# KiCad board ILI9341_ESP32_V1.kicad_pcb (continued)
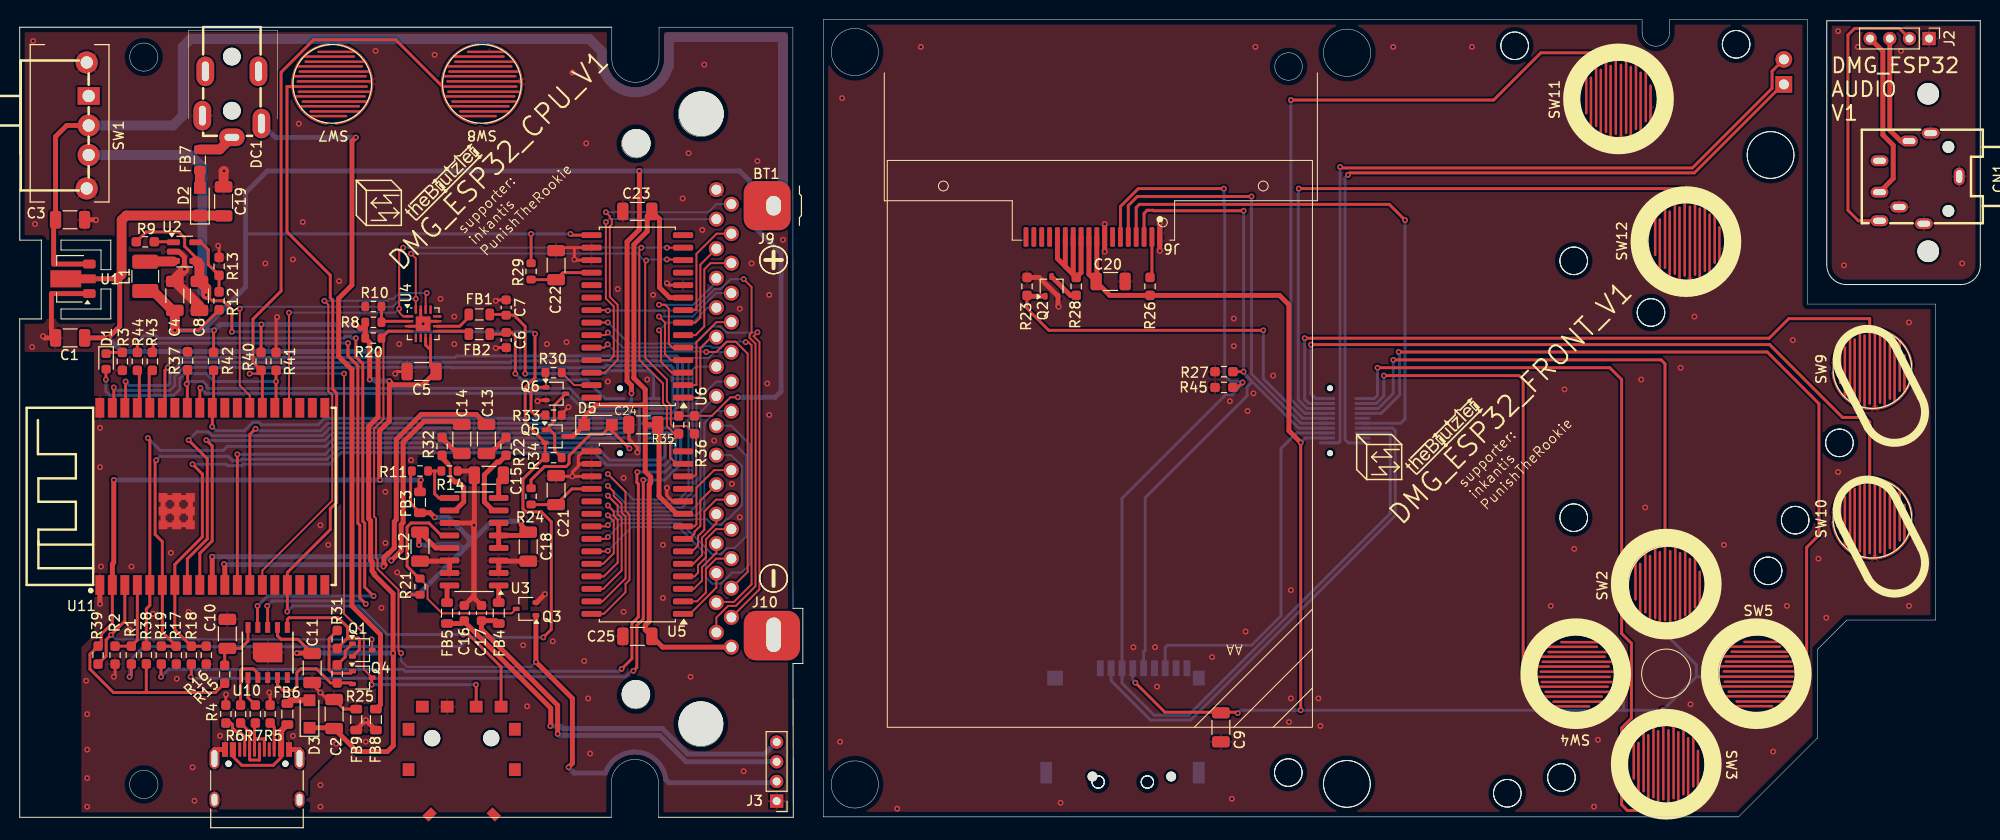
[diagram p0: board, top side]
## Nets (continued)
/MOSI: U8.5 U11.37
/RTS: Q1.2 R31.1 U10.6
/RXD: R43.1 U11.34
/SD_MISO: R37.1 U8.6 U11.31
/SD_~{CS}: U8.7 U11.36
/SOUND_LEFT: C13.1 U11.11
/SOUND_RIGHT: C14.1 U11.10
/SPK+: C6.1 FB2.2 U8.2
/SPK-: C7.2 FB1.2 U8.1
/TXD: R44.1 U11.35
/V_BAT_ADC: R1.2 R2.1 U11.4
/V_BATT: C8.1 Q5.2 R1.1 R9.2 R34.1 SW1.3 U2.4
/VUSB: C1.1 C2.1 C11.1 C19.1 D2.1 D3.1 U1.2 U10.7
Net-(BT1-+): BT1.1 C3.1 J9.1 SW1.2 U1.3
Net-(C13-Pad2): C13.2 R22.1
Net-(C14-Pad2): C14.2 R32.1
Net-(D1-K): D1.1 R3.1
Net-(D2-A): D2.2 FB7.2
Net-(D3-A): D3.2 FB6.2
Net-(DC1-Pad2): DC1.2 FB7.1
Net-(FB6-Pad1): FB6.1 J1.A4 J1.A9 J1.B4 J1.B9
Net-(J1-CC1): J1.A5 R4.2
Net-(J1-CC2): J1.B5 R5.1
Net-(J1-D+-PadA6): J1.A6 J1.B6 R7.1
Net-(J1-D--PadA7): J1.A7 J1.B7 R6.2
Net-(J1-SHIELD): FB8.1 FB9.1 J1.A1 J1.A12 J1.B1 J1.B12 J1.S1
Net-(J2-Pin_1): CN1.1 CN1.5 CN1.8 J2.1
Net-(J2-Pin_2): CN1.6 J2.2
Net-(J2-Pin_3): CN1.3 J2.3
Net-(J2-Pin_4): CN1.2 J2.4
Net-(J6-Pin_2): J6.2 R26.1
Net-(J6-Pin_11): J6.11 J6.12 J6.13 J6.14 R28.2
Net-(Q1-B): Q1.1 R25.2
Net-(Q2-C): Q2.3 R28.1
Net-(Q3-C): Q3.3 R21.2 U3.12
Net-(Q4-B): Q4.1 R31.2
Net-(Q6-B): Q6.1 R30.2 R33.1
Net-(U2-EN): R9.1 U2.1
Net-(U2-FB): R12.2 R13.1 U2.5
Net-(U2-SW): L1.1 U2.3
Net-(U3-+OUT_L): FB4.1 U3.1
Net-(U3-+OUT_R): FB5.1 U3.16
Net-(U3-INL): R22.2 U3.7
Net-(U3-INR): R32.2 U3.10
Net-(U3-MODE): R11.2 R14.1 U3.9
Net-(U3-PVDDL): C12.1 C18.1 FB3.2 R11.1 R21.1 U3.4 U3.5 U3.6 U3.13
Net-(U3-VREF): C15.1 U3.8
Net-(U4-GAIN_SLOT): R8.2 R10.1 U4.2
Net-(U4-OUTN): FB1.1 U4.10
Net-(U4-OUTP): FB2.1 U4.9
Net-(U5-~{RESET}): C21.2 R24.2 U5.18
Net-(U6-GPA6): R30.1 U6.27
Net-(U6-~{RESET}): C22.2 R29.2 U6.18
Net-(U10-RXD): R44.2 U10.9
Net-(U10-TXD): R43.2 U10.8
Net-(U10-V3): C10.1 R15.1 U10.10

Pads without a net: CN1 4; DC1 4 5; J1 A8 B8; J5 1 8 CD; J6 7 15 16 17 18; SW1 1; U4 5 6 12 13; U5 11 14 19 20; U6 11 14 19 20 28; U7 B; U10 5; U11 17 18 19 20 21 22 27 28 32

## Via types
v1: diameter 0.6, hole 0.3, Top to Bottom, 291 vias

## Routing (per net, layer and track width the routed paths; a pad name or vN(x,y) marks a point on that pad's centre or on a via; arc(x,y) is an arc through that point)
+3V3: length 322.1
  Top w0.2: v1(72.96,42.68) 72.22,42.68 70.33,40.79 R36.2 R35.2
  Top w0.3: R12.1 18.17,49.48 v1(15.76,49.48) ; R24.1 51.96,34.28 53.32,35.64 55.52,35.64 55.82,35.94 55.82,36.74 58.01,38.93 59.21,38.93 D5.2 60.16,39.28 v1(61.96,37.48) ; 12.86,12.78 12.97,12.68 19.89,12.68 R15.2 ; 12.86,12.78 R38.2 ; 12.86,12.78 12.76,12.68 9.52,12.68 7.14,15.06 7.14,16.56 R39.2 8.27,17.39 8.29,17.4 8.29,18.6 9.41,19.73 U11.2 ; v1(24.56,50.08) 24.53,50.04 R40.2 ; U4.8 41.75,47.48 ; 41.75,47.48 41.25,47.98 U4.7 ; 41.75,47.48 41.75,45.86 C5.1 42.31,45.13 ; v1(55.96,59.28) 56.09,59.15 U6.15 ; R29.1 v1(51.96,59.28) ; v1(19.76,49.48) 19.7,49.42 R42.2
  Top w0.5: v1(62.16,43.08) 62.16,43.89 61.71,44.34 61.71,58.48 62.96,59.73 v1(62.96,65.68) ; U11.2 9.41,25.73 9.56,25.88 v1(9.56,34.28) ; v1(36.61,34.28) 36.56,34.33 36.56,39.27 37.56,40.27 v1(37.56,44.33) 37.94,43.94 40.96,43.94 C5.1 ; 35.11,49.68 R20.2 35.56,48.24 v1(35.56,44.48) ; 35.11,49.68 34.56,49.68 v1(34.16,50.08) ; 35.11,49.68 R8.1 ; FB3.1 40.67,34.19 v1(40.76,34.28)
  Top w1: L1.2 13.56,53.48 15.54,51.5 C4.1 v1(15.76,49.48)
  Bottom w0.3: v1(62.16,43.08) 62.16,42.28 61.92,42.04 61.85,42.04 ; U8.4 61.85,42.04 ; 61.85,42.04 61.96,41.93 v1(61.96,37.48) ; v1(55.96,59.28) 22.96,59.28
  Bottom w0.5: 18.56,49.48 v1(15.76,49.48) ; 18.56,49.48 v1(19.76,49.48) 20.36,50.08 v1(24.56,50.08) v1(34.16,50.08) ; 18.56,49.48 22.96,53.88 22.96,63.48 25.16,65.68 v1(62.96,65.68) 73.16,65.68 74.16,64.68 74.16,60.48 77.36,57.28 77.36,43.28 76.76,42.68 v1(72.96,42.68) ; v1(37.56,44.33) 36.11,44.33 35.96,44.48 v1(35.56,44.48) ; v1(40.76,34.28) v1(9.56,34.28)
/FRONT_BUTTONS/3V3: length 151.9
  Top w0.3: v1(167.76,18.68) 167.7,18.74 SW2.1 ; v1(123.76,10.58) 123.66,10.68 116.36,10.68 v1(113.36,13.68) ; v1(171.36,14.28) 171.37,14.29 SW5.1 ; SW3.1 166.96,9.38 v1(166.96,10.88) ; v1(162.96,14.88) 162.87,14.79 SW4.1 ; v1(130.16,38.08) v1(130.16,10.88)
  Top w0.5: C20.1 108.64,55.17 J6.10 ; C20.1 109.44,54.51 J6.9 ; C20.1 109.37,54.42 110.76,53.03 R26.2 128.01,53.03 128.96,52.08 128.96,39.28 v1(130.16,38.08)
  Bottom w0.3: v1(162.96,14.88) 162.96,10.88 ; 162.96,10.88 v1(166.96,10.88) 170.36,14.28 ; 162.96,10.88 129.36,10.88 ; J5.4 113.1,13.94 v1(113.36,13.68) ; 129.36,10.88 124.06,10.88 v1(123.76,10.58) ; 129.36,10.88 v1(130.16,10.88) ; v1(171.36,14.28) 170.36,14.28 ; 170.36,14.28 170.36,15.48 167.76,18.08 v1(167.76,18.68) ; U9.18 130.63,38.54 v1(130.16,38.08)
GND: length 132.9
  Top w0.3: R4.1 20.95,12.46 v1(20.96,12.48) ; C7.1 48.45,52.57 v1(48.36,52.48) ; v1(26.16,50.83) 26.05,50.72 R41.2 ; U5.10 66.34,32.1 65.76,32.68 v1(65.76,33.48) ; v1(55.76,41.68) 55.07,40.99 R33.2 ; R2.2 9.69,14.41 v1(9.56,14.28) ; U5.16 56.99,35.91 56.16,35.08 ; v1(65.76,54.28) 65.97,54.07 U6.10 ; U6.16 56.36,57.88 ; 56.36,57.88 v1(56.36,56.68) 56.43,56.61 U6.17 ; 56.36,57.88 54.8,57.88 C22.1 ; U5.15 57.26,37.18 56.76,36.68 56.76,35.68 56.16,35.08 ; U4.15 40.75,50.39 v1(41,50.14) ; 56.16,35.08 v1(56.16,34.64) ; v1(52.61,42.28) 52.72,42.39 Q6.2 ; FB9.2 32.92,10.99 C2.2 31.27,11.97 v1(30.56,12.68) 29.72,13.52 C11.2 ; v1(25.36,12.68) 25.45,12.59 R5.2 ; v1(38.16,45.08) 38.38,45.29 C5.2 ; U4.11 41.25,50.39 v1(41,50.14) ; v1(56.16,34.64) 54.58,34.64 C21.1 ; v1(56.16,34.64) U5.17 ; v1(41,50.14) 40.75,49.89 U4.3 ; C6.2 48.4,47.72 v1(48.36,47.68) ; C24.2 61.88,38.47 62.76,37.6 v1(62.76,37.08) ; v1(20.16,58.08) 20.26,57.98 R13.2
  Top w0.5: v1(53.36,22.68) 52.51,21.83 Q3.2 ; C12.2 43.6,26.02 U3.14 U3.15 ; v1(46.16,29.68) 46.16,22.28 C17.1 ; v1(46.16,29.68) 46.19,29.71 C15.2 45.76,35.19 R14.2 ; v1(46.16,29.68) 45.93,29.9 U3.11 ; v1(46.16,29.68) 46.16,22.51 C16.2 ; U3.2 U3.3 48.74,26.02 C18.2 ; U1.1 3.22,53.21 3.22,49.13 C1.2 2.52,48.71 v1(2.36,48.88) ; U11.39 U11.39 ; U11.1 8.14,21.69 v1(8.16,21.68) ; v1(16.73,55.68) 16.73,56.93 16.19,57.48 U2.2 ; U11.39 15.95,30.28 ; 15.95,30.28 U11.39 ; 15.95,30.28 U11.39 ; C3.2 7.72,60.71 v1(7.76,60.68) ; U11.39 U11.39 U11.39 U11.39 U11.39
  Top w1: v1(16.73,55.68) 15.76,54.7 C4.2 18.26,51.95 C8.2 ; v1(20.76,65.68) 20.72,65.63 C19.2
  Bottom w0.3: U8.11 63,40.04 62.96,40.08 ; 62.96,40.08 62.96,37.28 v1(62.76,37.08) ; 62.96,40.08 62.96,41.85 63.15,42.04 U8.3
  vias: v1(1.26,47.78) v1(1.36,78.88) v1(1.56,60.28) v1(6.76,13.88) v1(6.86,10.48) v1(6.86,6.88) v1(6.86,3.98) v1(6.86,1.08) v1(8.16,39.58) v1(8.16,35.58) v1(8.26,25.48) v1(11.16,19.08) v1(11.36,25.48) v1(13.56,20.68) v1(15.36,26.88) v1(15.96,14.08) v1(17.16,20.88) v1(17.56,5.08) v1(17.76,1.68) v1(24.96,56.28) v1(27.76,56.68) v1(28.36,70.48) v1(28.76,60.48) v1(30.56,29.68) v1(30.56,3.28) v1(30.56,1.08) v1(31.36,27.68) v1(32.46,54.48) v1(35.16,7.68) v1(36.16,77.88) v1(36.76,21.28) v1(37.16,33.08) v1(37.16,27.88) v1(38.36,24.88) v1(38.56,48.08) v1(39.76,36.28) v1(42.16,77.48) v1(42.76,52.68) v1(44.16,50.88) v1(44.16,48.08) v1(51.16,17.48) v1(51.56,11.28) v1(53.56,48.08) v1(54.16,17.88) v1(55.56,48.28) v1(56.16,75.68) v1(57.36,15.88) v1(57.56,68.48) v1(57.76,12.08) v1(57.96,6.48) v1(59.76,44.28) v1(60.76,53.68) v1(61.36,34.48) v1(61.36,20.88) v1(63.76,44.48) v1(64.36,53.08) v1(65.36,27.68) v1(65.36,22.28) v1(67.36,62.88) v1(67.96,67.48) v1(68.16,14.28) v1(69.36,59.68) v1(69.56,76.48) v1(70.56,38.28) v1(72.36,33.88) v1(73.16,51.68) v1(73.16,30.48) v1(73.56,4.68) v1(74.36,56.28) v1(74.96,66.68) v1(75.96,44.08) v1(76.16,53.08) v1(76.16,40.88) v1(77.56,58.68)
/AUDIO/AUDIO_LEFT: length 40
  Top w0.5: FB4.2 48.38,19.97 C17.2 46.92,19.12 54.66,11.38 v1(54.66,8.48)
  Bottom w0.5: J3.3 67.7,5.64 65.01,8.33 54.81,8.33 v1(54.66,8.48)
/AUDIO/AUDIO_RIGHT: length 40.9
  Top w0.5: v1(53.91,9.28) 53.96,9.33 53.96,11.09 45.17,19.88 C16.1 44.88,19.69 FB5.2
  Bottom w0.5: J3.4 75.69,6.42 67.91,6.42 65.3,9.03 55.17,9.03 54.92,9.28 v1(53.91,9.28)
/CLK: length 45.5
  Top w0.3: U11.30 18.3,43.57 v1(18.36,43.63)
  Bottom w0.3: U8.8 57.69,41.04 55.65,43.08 18.91,43.08 v1(18.36,43.63)
/D+: length 3.1
  Top w0.3: R7.2 23.2,12.15 U10.1
/D-: length 6
  Top w0.3: U10.2 24.2,14.64 23.75,15.09 22.59,15.09 22.45,14.95 R6.1
/DC_JACK: length 70.9
  Top w0.5: FB8.2 36.66,11.46 36.66,18.58 33.76,21.48 33.76,45.48 32.41,46.83 32.41,52.73 33.76,54.08 33.76,68.68 v1(34.16,69.08)
  Bottom w0.5: DC1.1 25.97,69.08 v1(34.16,69.08)
/DMG_CARD/CARD_A0: length 6
  Top w0.2: U5.1 68.12,20.67 70.79,23.34 J7.6
/DMG_CARD/CARD_A1: length 8.1
  Top w0.2: U5.2 68.82,21.94 69.72,22.84 69.72,25.25 70.76,26.28 J7.7
/DMG_CARD/CARD_A2: length 6.6
  Top w0.2: J7.8 70.79,26.87 69.32,25.41 69.32,24.04 68.49,23.21 U5.3
/DMG_CARD/CARD_A3: length 8.4
  Top w0.2: J7.9 70.76,29.28 69.72,28.24 69.72,26.41 68.92,25.61 68.92,24.84 68.56,24.48 U5.4
/DMG_CARD/CARD_A4: length 7.1
  Top w0.2: J7.10 70.79,29.87 69.32,28.41 69.32,26.64 68.43,25.75 U5.5
/DMG_CARD/CARD_A5: length 8.7
  Top w0.2: J7.11 70.76,32.27 69.56,31.08 69.56,29.21 68.92,28.57 68.92,27.62 68.32,27.02 U5.6
/DMG_CARD/CARD_A6: length 7.3
  Top w0.2: J7.12 69.16,32.17 69.16,29.61 68.56,29.01 68.56,28.81 68.04,28.29 U5.7
/DMG_CARD/CARD_A7: length 9.4
  Top w0.2: U5.8 68.54,29.56 68.76,29.77 68.76,33.48 70.55,35.27 J7.13
/DMG_CARD/CARD_A8: length 23.7
  Top w0.2: U5.21 59.64,29.56 v1(59.76,29.68)
  Bottom w0.2: v1(59.76,29.68) 60.36,30.28 69.81,30.28 70.35,29.74 71.27,29.74 71.87,30.34 72.02,30.34 73.37,31.69 73.37,35.71 72.29,36.79 J7.14
/DMG_CARD/CARD_A9: length 28.7
  Top w0.2: U5.22 59.57,28.29 v1(59.76,28.48)
  Bottom w0.2: J7.15 73.77,36.81 73.77,28.49 72.62,27.34 71.87,27.34 71.27,26.74 70.35,26.74 67.21,29.88 61.16,29.88 v1(59.76,28.48)
/DMG_CARD/CARD_A10: length 38
  Top w0.2: v1(59.76,27.08) 59.7,27.02 U5.23
  Bottom w0.2: v1(59.76,27.08) 62.16,29.48 66.96,29.48 69.72,26.71 69.72,24.37 70.35,23.74 71.27,23.74 72.4,24.88 73.36,24.88 74.17,25.69 74.17,37.91 72.29,39.79 J7.16
/DMG_CARD/CARD_A11: length 28.8
  Top w0.2: U5.24 59.28,25.75 60.36,26.83 60.36,30.08 v1(59.76,30.68)
  Bottom w0.2: J7.17 70.76,41.26 69.56,40.07 69.56,31.48 68.76,30.68 v1(59.76,30.68)
/DMG_CARD/CARD_A12: length 30.9
  Top w0.2: v1(59.76,31.68) 60.36,31.08 60.36,30.64 60.76,30.24 60.76,25.88 59.36,24.48 U5.25
  Bottom w0.2: v1(59.76,31.68) 60.36,31.08 68.16,31.08 69.16,32.08 69.16,41.16 J7.18
/DMG_CARD/CARD_A13: length 35.9
  Top w0.2: v1(59.76,32.68) 60.76,31.68 60.76,30.81 61.16,30.41 61.16,25.08 59.29,23.21 U5.26
  Bottom w0.2: v1(59.76,32.68) 60.96,31.48 67.36,31.48 68.76,32.88 68.76,42.26 70.76,44.26 J7.19
/DMG_CARD/CARD_A14: length 39.4
  Top w0.2: U5.27 59.22,21.94 61.56,24.28 61.56,30.57 61.16,30.97 61.16,31.84 60.36,32.64 60.36,33.08 v1(59.76,33.68)
  Bottom w0.2: J7.20 68.67,45.79 68.36,45.48 68.36,33.08 67.16,31.88 61.56,31.88 v1(59.76,33.68)
/DMG_CARD/CARD_A15: length 44.9
  Top w0.2: U5.28 59.35,20.67 61.56,22.88 61.56,23.71 61.96,24.11 61.96,30.74 61.56,31.14 61.56,33.08 v1(59.76,34.88)
  Bottom w0.2: v1(59.76,34.88) 62.36,32.28 66.96,32.28 67.96,33.28 67.96,46.28 68.36,46.68 70.01,46.68 70.59,47.26 J7.21
/DMG_CARD/CARD_CLK: length 55.5
  Top w0.2: U6.21 59.71,51.53 v1(59.76,51.48) ; v1(73.56,54.68) 74.36,53.88 74.36,49.24 74.16,49.04 74.16,48.72 74.76,48.12 74.76,23.48 72.76,21.48 71.98,21.48 70.79,20.29 J7.2
  Bottom w0.2: v1(59.76,51.48) 68.41,51.48 70.61,53.68 71.23,53.68 72.23,54.68 v1(73.56,54.68)
/DMG_CARD/CARD_D0: length 8.7
  Top w0.2: U6.1 68.92,42.64 69.16,42.88 69.16,47.68 70.27,48.78 J7.22
/DMG_CARD/CARD_D1: length 10.1
  Top w0.2: J7.23 70.79,50.31 68.76,48.28 68.76,43.94 68.73,43.91 U6.2
/DMG_CARD/CARD_D2: length 12.8
  Top w0.2: v1(64.96,49.48) 65.16,49.28 65.16,46.28 66.26,45.18 U6.3
  Bottom w0.2: J7.24 69.9,51.78 68.39,50.28 65.76,50.28 v1(64.96,49.48)
/DMG_CARD/CARD_D3: length 14.5
  Top w0.2: v1(64.96,50.88) 65.56,50.28 65.56,47.08 66.19,46.45 U6.4
  Bottom w0.2: v1(64.96,50.88) 68.38,50.88 70.76,53.25 J7.25
/DMG_CARD/CARD_D4: length 13.5
  Top w0.2: U6.5 66.32,47.72 65.96,48.08 65.96,51.68 65.56,52.08 v1(64.96,52.08)
  Bottom w0.2: J7.26 70.79,54.41 68.45,52.08 v1(64.96,52.08)
/DMG_CARD/CARD_D5: length 11.3
  Top w0.2: J7.27 70.18,56.3 69.56,55.68 69.56,49.88 68.67,48.99 U6.6
/DMG_CARD/CARD_D6: length 9.6
  Top w0.2: U6.7 68.64,50.26 69.16,50.78 69.16,56.15 J7.28
/DMG_CARD/CARD_D7: length 11.5
  Top w0.2: U6.8 68.76,51.53 68.76,57.25 70.81,59.3 J7.29
/DMG_CARD/CARD_VCC: length 88.3
  Top w0.5: 63.56,41.32 63.56,39.88 C24.1 64.96,39.75 64.96,32.63 66.76,30.83 U5.9 ; 63.56,41.32 63.56,43.48 62.41,44.63 62.41,58.19 63.76,59.54 63.76,61.09 C23.1 65.01,60.78 65.01,53.83 66.04,52.8 U6.9 ; 63.56,41.32 63.56,41.88 58.56,41.88 57.36,40.68 D5.1 56.19,38.7 Q5.3 ; 63.56,41.32 63.56,35.14 64.11,34.59 64.11,33.97 63.96,33.82 63.96,19.9 63.56,19.5 63.56,19.05 C25.1 65.33,17.29 J7.1
/DMG_CARD/CARD_VIN: length 31.9
  Top w0.2: U6.26 59.46,45.18 60.76,46.48 60.76,52.08 59.96,52.88 59.96,60.03 60.16,60.23 60.16,60.72 59.96,60.92 59.96,61.08 v1(59.56,61.48)
  Bottom w0.2: J7.31 70.78,62.3 69.96,61.48 v1(59.56,61.48)
/DMG_CARD/CARD_VOLTAGE: length 8.4
  Top w0.3: Q6.3 54.32,41.87 54.32,40.24 53.44,39.35 Q5.1 53.88,39.35 54.36,38.88 54.36,37.25 R34.2
/DMG_CARD/CARD_~{CS}: length 41.8
  Top w0.2: J7.5 73.96,24.93 73.96,47.11 72.75,48.32 71.83,48.32 70.78,47.28 v1(69.76,47.28) ; U6.24 59.4,47.72 v1(59.74,48.05)
  Bottom w0.2: v1(59.74,48.05) 60.46,47.33 69.71,47.33 v1(69.76,47.28)
/DMG_CARD/CARD_~{RD}: length 46.2
  Top w0.2: v1(73.76,48.28) 74.04,48.28 74.36,47.96 74.36,23.68 72.56,21.88 70.85,21.88 J7.4 ; U6.23 59.5,48.99 v1(59.76,49.25)
  Bottom w0.2: v1(73.76,48.28) 73.72,48.32 71.87,48.32 71.27,47.72 70.35,47.72 70.19,47.88 69.51,47.88 69.36,47.73 61.29,47.73 v1(59.76,49.25)
/DMG_CARD/CARD_~{RES}: length 27.7
  Top w0.2: U6.25 59.93,46.45 60.36,46.88 60.36,51.91 59.56,52.71 v1(59.56,60.48)
  Bottom w0.2: v1(59.56,60.48) 59.86,60.77 J7.30
/DMG_CARD/CARD_~{WR}: length 49.3
  Top w0.2: v1(59.76,50.28) 58.12,50.28 U6.22 ; J7.3 75.16,23.16 75.16,48.29 74.57,48.88 v1(74.96,49.28)
  Bottom w0.2: v1(74.96,49.28) 74.93,49.24 71.83,49.24 71.19,49.88 70.36,49.88 68.61,48.13 61.91,48.13 v1(59.76,50.28)
/DTR: length 11
  Top w0.3: 26.2,14.19 26.2,13.44 26.76,12.88 27.76,12.88 28.16,13.28 28.16,14.69 28.56,15.09 30.15,15.09 31.59,13.65 R25.1 33.7,13.65 Q4.2
/EN: length 36.9
  Top w0.2: v1(35.76,18.08) 35.81,18.02 Q1.3
  Top w0.3: U11.3 10.68,19.93 v1(9.29,18.54) 8.79,18.03 8.79,16.39 R39.1
  Bottom w0.2: v1(35.76,18.08) 9.76,18.08 v1(9.29,18.54)
/FRONT_BUTTONS/A: length 70.2
  Top w0.3: SW11.2 162.17,77.26 161.76,77.68 154.56,77.68 149.76,72.88 v1(129.16,72.88)
  Bottom w0.3: U9.8 130.58,41.04 129.16,42.46 v1(129.16,72.88)
/FRONT_BUTTONS/B: length 65.2
  Top w0.3: v1(129.96,63.88) 168.96,63.88 169.17,63.66 SW12.2
  Bottom w0.3: U9.6 130.79,41.54 129.91,42.42 129.91,63.83 v1(129.96,63.88)
/FRONT_BUTTONS/CLK: length 76
  Top w0.3: J6.3 114.24,61.36 114.56,61.68 115.16,61.68 115.21,61.63 v1(124.36,61.63) ; R27.1 v1(124.36,45.28)
  Bottom w0.3: 124.36,45.14 125.24,44.26 124.71,43.73 124.71,42.83 114.36,32.48 114.36,17 114.2,16.84 J5.5 ; 124.36,45.14 v1(124.36,45.28) v1(124.36,61.63) ; 124.36,45.14 129.96,39.54 U9.14
/FRONT_BUTTONS/DOWN: length 82.2
  Top w0.3: SW5.2 181.16,14.82 181.16,14.88 181.56,15.28 181.56,27.42 182.81,28.68 182.81,42.02 177.56,47.28 v1(140.11,47.28)
  Bottom w0.3: U9.7 138.33,41.04 140.21,42.93 140.21,47.18 v1(140.11,47.28)
/FRONT_BUTTONS/F_GND: length 10.7
  Top w0.5: v1(110.24,57.48) J6.8 v1(110.24,60.28) ; v1(115.84,60.39) J6.1 v1(115.84,57.56) ; R23.2 103.59,54.85 Q2.2 105.5,51.94 v1(105.56,51.88)
  vias: v1(83.36,7.68) v1(83.56,73.08) v1(89.16,0.88) v1(91.56,78.28) v1(105.76,1.48) v1(113.16,17.28) v1(115.36,17.28) v1(115.56,13.28) v1(121.16,16.28) v1(122.96,42.28) v1(123.16,1.88) v1(123.36,50.68) v1(123.36,47.88) v1(124.56,18.88) v1(124.76,41.28) v1(125.36,43.08) v1(125.56,78.28) v1(127.36,44.88) v1(128.96,9.68) v1(129.16,23.08) v1(129.16,12.08) v1(131.96,12.08) v1(132.16,9.28) v1(139.56,78.28) v1(147.56,78.28) v1(155.56,21.48) v1(156.96,43.48) v1(157.96,27.28) v1(159.96,1.08) v1(160.36,7.88) v1(164.76,44.48) v1(165.16,31.48) v1(168.76,45.68) v1(169.76,11.48) v1(170.16,50.88) v1(173.16,27.68) v1(178.16,6.68) v1(179.56,21.48) v1(180.16,48.48) v1(182.76,26.28) v1(183.56,20.28) v1(184.76,35.08) v1(191.96,50.28) v1(191.96,21.48)
/FRONT_BUTTONS/LCD_BCKL: length 41.2
  Top w0.3: R23.1 102.35,51.69 104.56,49.48 v1(126.36,49.48)
  Top w0.5: R23.1 102.44,52.94 Q2.1
  Bottom w0.3: v1(126.36,49.48) 126.36,44.56 130.37,40.54 U9.10
/FRONT_BUTTONS/LCD_DC: length 55.8
  Top w0.3: J6.4 113.44,61.96 113.76,62.28 139.16,62.28 v1(140.76,60.68)
  Bottom w0.3: U9.11 140.33,40.04 140.76,40.48 v1(140.76,60.68)
/FRONT_BUTTONS/LCD_~{CS}: length 43.9
  Top w0.3: v1(125.16,63.08) 113.56,63.08 112.64,62.16 J6.5
  Bottom w0.3: U9.12 130.17,40.04 125.16,45.05 v1(125.16,63.08)
/FRONT_BUTTONS/LEFT: length 79.3
  Top w0.3: SW3.2 167.52,0.85 167.36,0.69 163.35,0.69 162.77,1.27 162.77,9.08 163.76,10.07 163.76,17.68 162.77,18.67 162.77,44.48 161.57,45.68 v1(137.96,45.68)
  Bottom w0.3: U9.1 137.63,42.54 137.96,42.88 v1(137.96,45.68)
/FRONT_BUTTONS/MOSI: length 120.8
  Top w0.3: v1(124.25,44.19) 123.74,43.68 R45.1 ; J6.6 111.84,62.07 113.65,63.88 v1(122.36,63.88)
  Bottom w0.3: v1(122.36,63.88) 122.36,62.23 122.44,62.15 122.44,44.88 123.03,44.28 124.16,44.28 v1(124.25,44.19) 124.25,43.97 123.21,42.93 122.52,42.93 112,32.4 J5.3 112,13.64 115.26,10.38 118.76,10.38 139.26,30.87 139.26,38.98 139.19,39.04 U9.15
/FRONT_BUTTONS/RIGHT: length 53.5
  Top w0.3: v1(139.56,46.48) 166.77,46.48 167.17,46.08 SW2.2
  Bottom w0.3: v1(139.56,46.48) 139.56,43.06 138.04,41.54 U9.5
/FRONT_BUTTONS/SD_MISO: length 37.5
  Bottom w0.3: U9.16 129.73,39.04 128.16,37.48 128.16,20.48 125.16,17.48 116.6,17.48 116.4,17.28 J5.7
/FRONT_BUTTONS/SD_~{CS}: length 52.4
  Bottom w0.3: J5.2 110.9,13.88 114.9,9.88 118.97,9.88 139.76,30.66 139.76,39.28 139.49,39.54 U9.13
/FRONT_BUTTONS/SELECT: length 72.7
  Top w0.3: v1(131.21,48.03) 177.81,48.03 185.21,40.63 187.51,40.63 187.97,40.16 SW10.2
  Bottom w0.3: v1(131.21,48.03) 131.21,43.13 131.16,43.08 131.69,42.54 U9.2
/FRONT_BUTTONS/SPK+: length 80
  Top w0.3: v1(134.16,66.08) 134.26,65.98 169.95,65.98 178.05,74.07 178.05,75.81 LS1.2
  Bottom w0.3: v1(134.16,66.08) 134.16,38.21 133.99,38.04 U9.20
/FRONT_BUTTONS/SPK-: length 77
  Top w0.3: v1(134.96,65.28) 135.16,65.48 170.16,65.48 179.15,74.47 LS1.1
  Bottom w0.3: U9.19 134.99,38.04 134.66,38.38 134.66,64.98 v1(134.96,65.28)
/FRONT_BUTTONS/START: length 68
  Top w0.3: SW9.2 187.97,50.66 179.75,50.66 177.76,48.68 v1(130.56,48.68)
  Bottom w0.3: v1(130.56,48.68) 130.56,42.48 130.99,42.04 U9.4
/FRONT_BUTTONS/UP: length 50.2
  Top w0.3: SW4.2 153.37,14.27 153.36,14.28 152.96,14.28 152.76,14.48 152.76,44.48 152.36,44.88 v1(138.61,44.88)
  Bottom w0.3: U9.3 137.83,42.04 138.61,42.82 v1(138.61,44.88)
/I2C_CLK: length 89.1
  Top w0.2: v1(39.76,57.28) 40.25,56.79 v1(40.25,52.68) U4.16 ; v1(63.66,56.58) 63.56,56.48 63.56,46.68 65.76,44.48 65.76,42.28 66.16,41.88 66.16,39.93 66.34,39.75 67.77,39.75 R36.1 68.73,38.79 68.73,34.85 68.52,34.64 U5.12 ; v1(22.36,51.68) 22.36,43.88 23.38,42.85 U11.26 ; v1(65.76,56.68) 67.34,56.68 U6.12
  Bottom w0.2: v1(39.76,57.28) 62.36,57.28 62.56,57.48 63.46,56.58 v1(63.66,56.58) 63.76,56.68 v1(65.76,56.68) ; v1(40.25,52.68) 38.71,52.68 37.96,51.92 37.96,51.88 22.56,51.88 v1(22.36,51.68)
/I2C_SDA: length 83.3
  Top w0.2: U11.23 27.36,41.77 v1(27.36,51.28) ; v1(38.96,57.88) 38.56,57.48 v1(38.56,51.68) 38.56,51.29 38.96,50.89 U4.1 ; U6.13 67.4,57.88 v1(65.76,57.88) ; R35.1 66.53,38.96 65.76,39.73 65.76,41.68 65.36,42.08 65.36,44.08 62.96,46.48 62.96,57.68 v1(63.16,57.88) ; R35.1 66.65,39.28 66.56,39.28 ; R35.1 66.08,38.08 66.08,36.56 66.73,35.91 U5.13
  Bottom w0.2: v1(38.96,57.88) v1(63.16,57.88) v1(65.76,57.88) ; v1(38.56,51.68) 38.16,51.28 v1(27.36,51.28)
/I2S_EN: length 92.8
  Top w0.2: R20.1 36.96,48.49 36.96,40.44 36.01,39.49 36.01,30.56 36.21,30.36 36.21,26.33 36.36,26.18 36.36,25.23 38.49,23.1 38.49,16.95 v1(38.76,16.68)
  Top w0.3: U4.4 37.46,49.39 R20.1
  Top w0.5: Q3.1 v1(52.45,15.78) 56.16,12.08 56.16,5.48 v1(55.76,5.08)
  Bottom w0.2: v1(38.76,16.68) 38.76,15.88 39.36,15.28 51.94,15.28 v1(52.45,15.78)
  Bottom w0.5: J3.2 76.78,3.51 65.96,3.51 65.64,3.83 65.64,3.84 65.61,4.09 65.5,4.49 65.34,4.87 65.13,5.23 64.88,5.56 64.59,5.85 64.26,6.1 63.9,6.31 63.52,6.47 63.12,6.57 62.71,6.63 62.3,6.63 61.89,6.57 61.49,6.47 61.11,6.31 60.75,6.1 60.42,5.85 60.13,5.56 59.88,5.23 59.67,4.87 59.52,4.49 56.34,4.49 v1(55.76,5.08)
/I2S_WS: length 44.6
  Top w0.2: v1(30.96,52.48) 31.36,52.08 31.36,43.3 31.75,42.91 31.75,32.18 24.65,25.08 U11.14 ; v1(41.36,53.28) 41.25,53.16 U4.14
  Bottom w0.2: v1(41.36,53.28) 38.56,53.28 37.96,52.68 37.56,52.68 37.36,52.48 v1(30.96,52.48)
/KEY_A: length 60.7
  Top w0.3: v1(17.16,38.33) 19.06,36.43 19.06,28.28 17.03,26.26 U11.8
  Bottom w0.3: v1(17.16,38.33) 18.01,39.18 19.16,39.18 19.56,38.78 30.77,38.78 31.53,39.54 U8.14
/KEY_B: length 57.6
  Top w0.3: v1(18.96,38.33) 19.56,37.73 19.56,28.08 18.3,26.82 U11.9
  Bottom w0.3: v1(18.96,38.33) 19.01,38.28 30.97,38.28 31.74,39.04 U8.16
/KEY_DOWN: length 77.3
  Top w0.3: v1(17.36,14.28) 17.44,14.35 R18.2 ; v1(62.36,14.88) 62.7,15.22 62.7,19.49 63.36,20.15 v1(63.36,34.28)
  Bottom w0.3: v1(63.36,34.28) 65.56,34.28 67.16,35.88 67.16,39.28 66.9,39.54 U8.13 ; v1(17.36,14.28) 17.51,14.13 48.75,14.13 48.9,14.28 61.56,14.28 62.16,14.88 v1(62.36,14.88)
/KEY_LEFT: length 77.2
  Top w0.3: v1(13.87,36.28) 13.76,36.17 13.76,28.74 14.5,28.01 U11.6 14.5,18.81 R17.1 R19.1
  Bottom w0.3: U8.19 65.56,38.04 65.56,36.69 65.16,36.29 59.95,36.29 58.7,37.54 32.42,37.54 31.26,36.38 22.53,36.38 22.38,36.23 21.65,36.23 21.2,36.68 14.27,36.68 v1(13.87,36.28)
/KEY_MENU: length 86.7
  Top w0.3: U7.A 48.91,15.29 45.62,18.58 v1(45.06,18.58) ; v1(27.19,20.9) 27.19,20.91 U11.16 27.19,24.87 31.56,29.24 31.56,31.35 32.2,31.99 32.2,43.09 31.81,43.49 31.81,52.55 31.56,52.8 31.56,55.08 27.16,59.48 27.16,74.25 SW7.2
  Bottom w0.3: v1(45.06,18.58) 37.34,18.58 34.44,21.48 27.76,21.48 v1(27.19,20.9)
/KEY_OPTION: length 112
  Top w0.2: v1(32.96,45.08) 32.96,20.68 34.97,18.67 34.97,15.04 Q4.3 ; R40.1 24.19,45.08 v1(23.36,45.08)
  Top w0.3: SW8.2 38.2,79.01 29.86,79.01 26.56,75.7 26.56,53.48 23.7,50.62 23.7,46.23 R40.1 24.65,45.28 U11.25 ; Q4.3 35.76,14.14 v1(35.76,13.48) ; U7.S 46.39,13.45 v1(46.36,13.48)
  Bottom w0.2: v1(32.96,45.08) v1(23.36,45.08)
  Bottom w0.3: v1(46.36,13.48) v1(35.76,13.48)
/KEY_RIGHT: length 78.8
  Top w0.3: R19.2 14.36,15.54 v1(14.36,14.28) ; v1(62.76,35.08) 62.71,35.03 62.71,34.01 62.86,33.86 62.86,20.36 62.2,19.7 62.2,16.12 v1(61.16,15.08)
  Bottom w0.3: v1(62.76,35.08) 65.56,35.08 66.66,36.18 66.66,38.78 66.4,39.04 U8.15 ; v1(14.36,14.28) 15.11,15.03 38.97,15.03 39.17,14.83 60.91,14.83 v1(61.16,15.08)
/KEY_SELECT: length 52.3
  Top w0.3: v1(22.11,36.88) U11.12
  Bottom w0.3: v1(22.11,36.88) 31.05,36.88 32.21,38.04 U8.20
/KEY_START: length 70.2
  Top w0.3: v1(13.02,38.54) 13.22,38.34 U11.5 13.22,21.53 12.86,21.17 R38.1
  Bottom w0.3: 12.96,38.48 v1(13.02,38.54) 14.29,37.28 20.69,37.28 21.1,37.68 31.09,37.68 31.94,38.54 U8.18
/KEY_UP: length 76.3
  Top w0.3: v1(17.56,35.88) 18.56,34.88 18.56,28.49 15.76,25.7 U11.7 15.76,19.06 R18.1 R16.1
  Bottom w0.3: U8.17 66.16,38.54 66.16,36.39 65.56,35.79 59.65,35.79 58.4,37.04 32.63,37.04 31.46,35.88 22.74,35.88 22.59,35.73 21.12,35.73 20.96,35.88 v1(17.56,35.88)
/LCD_BCKL: length 53.2
  Top w0.3: U11.13 23.38,38.9 v1(23.96,39.48)
  Bottom w0.3: U8.12 31.32,40.04 30.56,39.28 24.16,39.28 v1(23.96,39.48)
/LCD_DC: length 66.1
  Top w0.3: v1(15.04,45.69) 14.76,45.41 14.76,41.87 U11.33
  Bottom w0.3: U8.9 67.02,40.54 67.36,40.88 67.36,46.28 66.76,46.88 44.39,46.88 44.24,46.73 15.81,46.73 15.04,45.96 v1(15.04,45.69)
/LCD_~{CS}: length 47.8
  Top w0.3: v1(19.56,39.69) 19.57,39.7 U11.29 19.7,41.73 R42.1
  Bottom w0.3: U8.10 30.96,40.54 30.3,39.88 24.56,39.88 24.3,40.14 23.7,40.14 22.84,39.28 19.97,39.28 v1(19.56,39.69)
/LED: length 25.5
  Top w0.3: U11.24 26.05,41.73 v1(26.05,44.28) R41.1 ; v1(8.76,44.48) 8.76,45.51 D1.2
  Bottom w0.3: v1(26.05,44.28) 19.76,44.28 18.96,45.08 16.76,45.08 16.26,44.58 16.26,43.48 15.66,42.88 9.16,42.88 8.76,43.28 v1(8.76,44.48)
/MOSI: length 66.9
  Top w0.3: v1(9.56,43.68) 9.56,41.75 U11.37
  Bottom w0.3: v1(9.56,43.68) 9.86,43.38 15.26,43.38 15.76,43.88 15.76,44.78 16.7,45.73 23.63,45.73 23.68,45.68 32.64,45.68 32.69,45.73 43.83,45.73 43.88,45.68 50.04,45.68 50.09,45.73 50.63,45.73 50.68,45.68 51.04,45.68 51.09,45.73 51.63,45.73 51.68,45.68 59.45,45.68 59.65,45.88 66.16,45.88 66.36,45.68 66.36,41.88 66.02,41.54 U8.5
/RTS: length 13.3
  Top w0.3: Q1.2 34.52,17.04 34.52,18.12 34.43,18.21 33.32,18.21 ; 33.32,18.21 33.32,19.32 32.36,20.28 27.36,20.28 27.2,20.11 27.2,19.29 ; 33.32,18.21 R31.1
/RXD: length 4
  Top w0.3: R43.1 13.16,45.09 13.16,41.67 U11.34
/SD_MISO: length 49
  Top w0.3: R37.1 17.06,44.13 v1(16.96,44.03) 17.03,43.95 U11.31
  Bottom w0.3: v1(16.96,44.03) 17.21,44.28 18.63,44.28 19.01,43.9 19.01,43.68 19.12,43.58 55.86,43.58 57.9,41.54 U8.6
/SD_~{CS}: length 67.9
  Top w0.3: U11.36 10.76,41.68 v1(10.76,44.28)
  Bottom w0.3: v1(10.76,44.28) 11.16,43.88 15.05,43.88 15.26,44.08 15.26,44.99 16.5,46.23 23.84,46.23 23.89,46.18 32.43,46.18 32.48,46.23 49.88,46.23 50.03,46.38 66.55,46.38 66.86,46.07 66.86,41.67 66.23,41.04 U8.7
/SOUND_LEFT: length 42.7
  Top w0.5: v1(20.76,25.73) 20.84,25.64 20.84,23.61 ; v1(36.96,25.48) 37.13,25.65 37.01,25.77 37.01,26.39 37.45,26.83 37.52,26.83 38.06,27.37 38.06,30.03 38.26,30.23 38.26,38.4 40.8,40.94 46.39,40.94 C13.1
  Bottom w0.5: v1(20.76,25.73) 20.81,25.68 36.76,25.68 v1(36.96,25.48)
/SOUND_RIGHT: length 40.7
  Top w0.5: v1(37.76,26.08) 38.76,27.08 38.76,29.74 38.96,29.94 38.96,38.11 41.09,40.24 44.59,40.24 C14.1 ; v1(19.56,26.48) 19.56,23.62 U11.10
  Bottom w0.5: v1(19.56,26.48) 37.36,26.48 v1(37.76,26.08)
/SPK+: length 18
  Top w0.3: FB2.2 49.26,49.09 C6.1 49.95,49.27 50.36,48.86 v1(50.36,45.08)
  Bottom w0.3: U8.2 59.5,42.54 57.61,44.43 51.01,44.43 v1(50.36,45.08)
/SPK-: length 24.6
  Top w0.3: v1(51.36,45.08) 51.36,49.88 50.22,51.02 C7.2 49.35,51.09 FB1.2
  Bottom w0.3: v1(51.36,45.08) 59.56,45.08 59.86,45.38 63.86,45.38 64.41,44.83 64.41,42.65 U8.1
/TXD: length 4
  Top w0.3: U11.35 12.16,41.81 12.16,45.2 R44.1
/V_BAT_ADC: length 8.1
  Top w0.3: R2.1 R1.2 11.95,18 U11.4
/V_BATT: length 155.5
  Top w0.3: v1(21.56,49.33) 21.56,51.59 20.67,52.48 19.56,52.48 v1(18.96,53.08) ; v1(11.16,14.28) 11.34,14.46 R1.1 ; R9.2 12.85,59.48 16.16,59.48 16.76,58.88 16.76,58.01 17.9,56.88 U2.4 ; v1(53.2,18.28) 54.01,19.08 54.01,30.03 52.96,31.08 52.91,31.03 51.45,31.03 51.14,31.35 51.14,34.37 53.31,36.54 R34.1 53.39,36.58 Q5.2 51.36,40.08 51.36,43.68 52.36,44.68 v1(52.36,49.13)
  Top w1: v1(18.96,53.08) 18.96,53.75 C8.1 18.26,56.16 U2.4
  Bottom w0.3: v1(53.2,18.28) 45.68,18.28 44.73,17.33 12.61,17.33 11.16,15.88 v1(11.16,14.28) ; v1(52.36,49.13) 52.16,49.33 v1(21.56,49.33)
  Bottom w1: v1(18.96,53.08) 18.56,53.48 18.56,66.08 17.35,67.29 SW1.3
/VUSB: length 126.9
  Top w0.3: 26.2,19.29 26.2,18.44 26.55,18.09 28.27,18.09 C11.1
  Top w0.5: 4.6,54.71 U1.2 9.95,54.71 10.16,54.5 10.16,49.88 v1(9,48.71) C1.1 ; v1(36.36,47.48) 36.41,47.43 36.41,40.67 35.46,39.72 35.46,30.33 35.66,30.13 35.66,26.1 35.81,25.95 35.81,25 36.01,24.8 36.01,24.65 37.94,22.72 v1(37.94,16.65) 37.96,16.63 37.96,7.28 37.36,6.68 34.28,6.68 C2.1 31.87,9.09 D3.1 ; v1(28.16,16.68) 29.69,16.68 C11.1
  Top w1: C19.1 20.68,61.14 D2.1 10.82,61.14 10.36,60.68 10.36,55.18 9.95,54.77 9.95,54.71
  Bottom w0.5: v1(37.94,16.65) 37.91,16.68 v1(28.16,16.68) ; v1(9,48.71) 10.38,47.33 36.21,47.33 v1(36.36,47.48)
Net-(BT1-+): length 123.7
  Top w0.5: SW1.2 4.77,70.29 3.64,69.16 C3.1 3.45,60.52 3.45,56.21 U1.3
  Bottom w1: J9.1 77.56,63.09 77.56,79.28 65.96,79.28 65.96,76.3 65.84,76.19 65.79,75.98 65.62,75.57 65.4,75.18 65.12,74.83 64.81,74.51 64.45,74.24 64.07,74.02 63.66,73.85 63.23,73.73 62.78,73.67 62.34,73.67 61.89,73.73 61.46,73.85 61.05,74.02 60.67,74.24 60.31,74.51 60,74.83 59.72,75.18 59.5,75.57 59.33,75.98 59.22,76.41 59.16,76.85 59.15,77.48 59.16,77.49 59.16,77.8 57.88,79.08 17.36,79.08 16.56,78.28 16.56,71.28 15.57,70.29 SW1.2
